# Altium PCB ipg_wearable.PcbDoc (part 1 of 2) (continued)
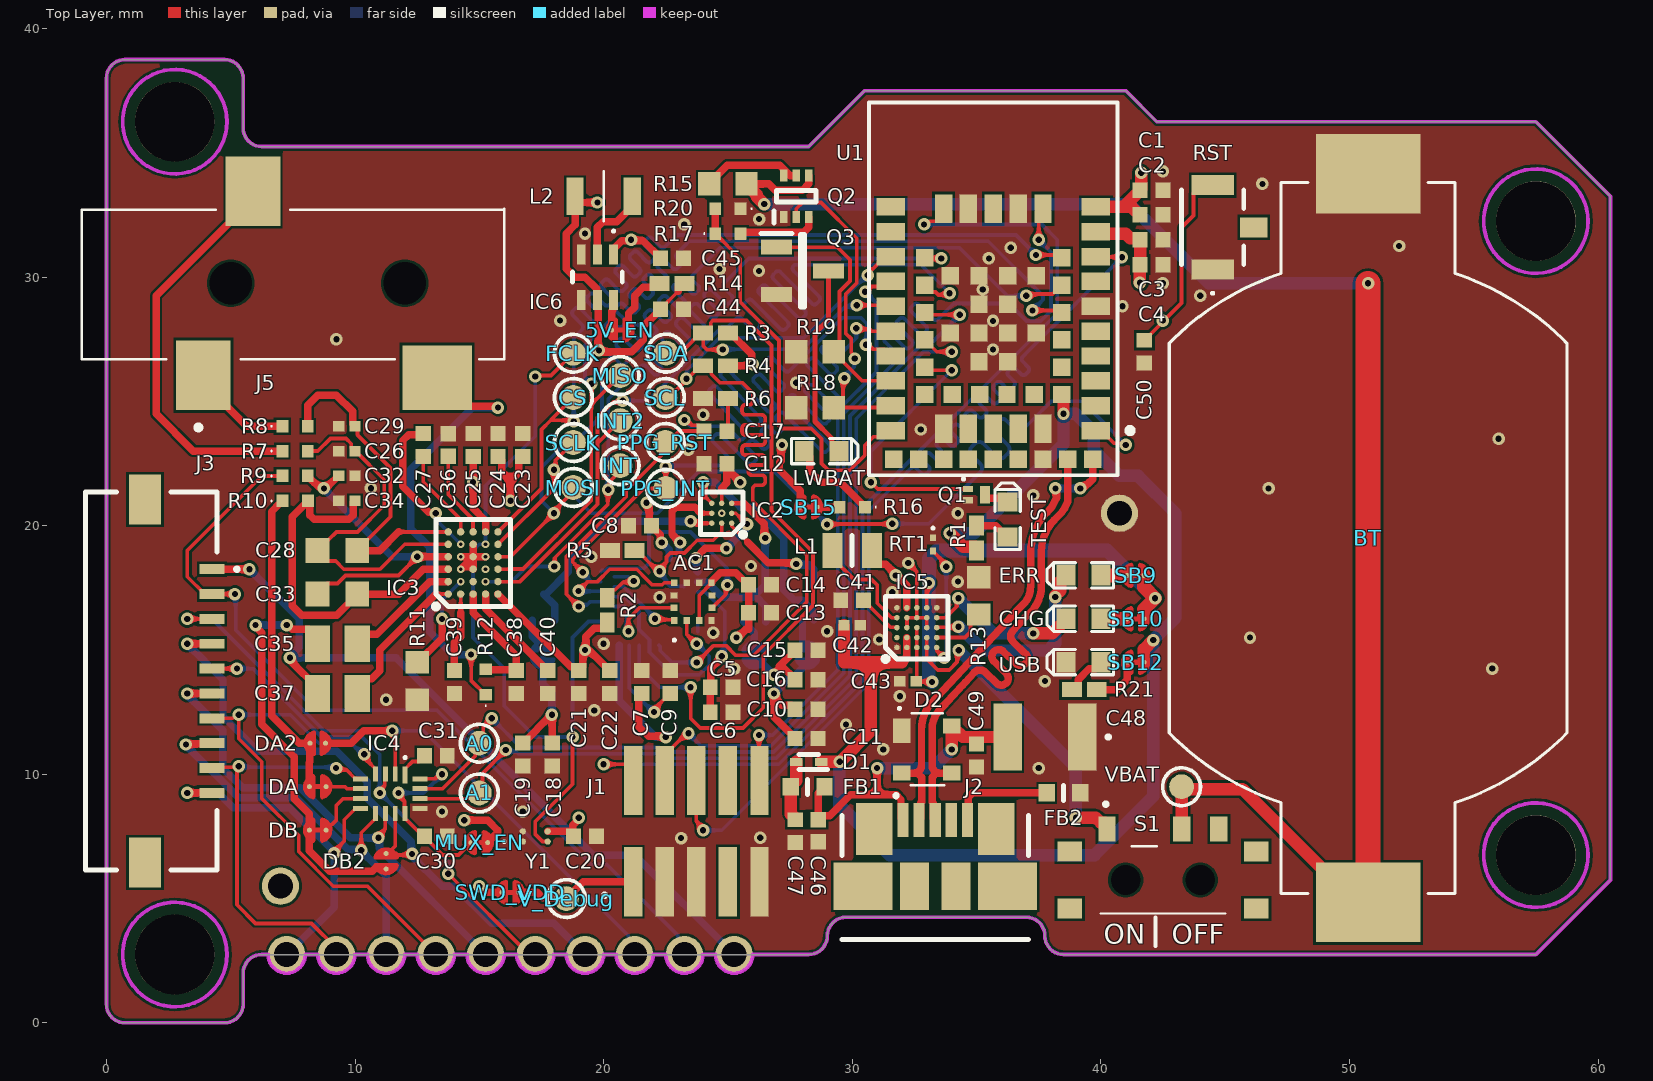
[diagram p0: Top Layer view]
## Part data (continued)
IR/RED: "LED", Arrow Part Number="SFH 7015", Manufacturer_Name="ams OSRAM", Mouser Part Number=720-SFH7015, Arrow Price/Stock=https://www.arrow.com/en/products/sfh-7015/osram-opto-semiconductors?region=nac, Datasheet Link=https://www.osram.com/ecat/CHIPLED%C2%AE%20SFH%207015/com/en/class_pim_web_catalog_103489/global/prd_pim_device_6573079/, Height=0.7mm, Manufacturer_Part_Number="SFH 7015", Mouser Price/Stock=https://www.mouser.co.uk/ProductDetail/OSRAM-Opto-Semiconductors/SFH-7015?qs=OTrKUuiFdkbk%2F%252BQNXT%2FkUA%3D%3D
J1: "Connector", Manufacturer_Name=SAMTEC, Mouser Part Number=200-FTSH10501LDVK, Arrow Part Number=FTSH-105-01-L-DV-K, Arrow Price/Stock=https://www.arrow.com/en/products/ftsh-105-01-l-dv-k/samtec?region=europe, Datasheet Link=https://www.arrow.com/en/products/ftsh-105-01-l-dv-k/samtec, Height=6.1mm, Manufacturer_Part_Number=FTSH-105-01-L-DV-K, Mouser Price/Stock=https://www.mouser.co.uk/ProductDetail/Samtec/FTSH-105-01-L-DV-K?qs=%252B5JSS813miOqo3Vy%252BvhCFg%3D%3D
J2: "Connector", Manufacturer_Name=Molex, Mouser Part Number=538-47346-0001, Datasheet Link=http://www.molex.com/pdm_docs/sd/473460001_sd.pdf, Manufacturer_Part_Number=47346-0001, Mouser Price/Stock=https://www.mouser.co.uk/ProductDetail/Molex/47346-0001?qs=c2CV6XM0DweJBWaSeyWeCw%3D%3D
J3: "Connector", Manufacturer_Name=Molex, Mouser Part Number=538-200528-0100, Datasheet Link=https://www.molex.com/pdm_docs/sd/2005280100_sd.pdf, Height=2.1mm, Manufacturer_Part_Number=200528-0100, Mouser Price/Stock=https://www.mouser.co.uk/ProductDetail/Molex/200528-0100?qs=0lSvoLzn4L%2F78iVrqdBtRg%3D%3D
J5: "Connector", Manufacturer_Name="CUI Devices", Mouser Part Number=490-SJ-3523-SMT-TR, Arrow Part Number=SJ-3523-SMT-TR, Arrow Price/Stock=https://www.arrow.com/en/products/sj-3523-smt-tr/cui-devices?region=europe, Datasheet Link=https://www.mouser.de/datasheet/2/670/sj_352x_smt-1779397.pdf, Height=5.2mm, Manufacturer_Part_Number=SJ-3523-SMT-TR, Mouser Price/Stock=https://www.mouser.co.uk/ProductDetail/CUI-Devices/SJ-3523-SMT-TR?qs=WyjlAZoYn51zOHzJ3r4ZRA%3D%3D
L1: library part DFE201210U-2R2M=P2, "Inductor", Arrow Part Number=DFE201210U-2R2M=P2, Manufacturer_Name="Murata Electronics", Mouser Part Number=81-DFE201210U-2R2MP2, Arrow Price/Stock=https://www.arrow.com/en/products/dfe201210u-2r2mp2/murata-manufacturing?region=nac, Datasheet Link=https://psearch.en.murata.com/inductor/product/DFE201210U-2R2M%23.html, Height=1mm, Manufacturer_Part_Number=DFE201210U-2R2M=P2, Mouser Price/Stock=https://www.mouser.co.uk/ProductDetail/Murata-Electronics/DFE201210U-2R2M%3dP2?qs=AQlKX63v8Rt%252B2GxwUyA5Fw%3D%3D
L2: library part LQM2HPN2R2MJ0L, "Inductor", Manufacturer_Name="Murata Electronics", Mouser Part Number=81-LQM2HPN2R2MJ0L, Arrow Part Number=LQM2HPN2R2MJ0L, Arrow Price/Stock=https://www.arrow.com/en/products/lqm2hpn2r2mj0l/murata-manufacturing?region=nac, Datasheet Link=https://psearch.en.murata.com/inductor/product/LQM2HPN2R2MJ0%23.html, Height=1.2mm, Manufacturer_Part_Number=LQM2HPN2R2MJ0L, Mouser Price/Stock=https://www.mouser.co.uk/ProductDetail/Murata-Electronics/LQM2HPN2R2MJ0L?qs=%2F%252BYoplLUB5gah%2Fy6io9rJg%3D%3D
Q1: "N-Channel MOSFET, 20V, 1A, 470mOhm, 400mW", Manufacturer="Rohm Semiconductor", Part number IPS=00000009976, Part number Norautron=N.A., Supplier Part Number 1=RV2C010UNT2LCT-ND, Artikkelnr Noca=35010020, Author=rsk, Component Class=Semiconductors, ComponentLink1Description=Datasheet, ComponentLink1URL=N.A., ComponentLink2Description="Supplier link", ComponentLink2URL=N.A., Footprint Doc=DFN-3, HelpURL=http://rohmfs.rohm.com/en/products/databook/datasheet/discrete/transistor/mosfet/rv2c010unt2l-e.pdf, LatestRevisionDate=2016-08-09, Manufacturer Part Number=RV2C010UNT2L, Note=N.A., Pad Count=3, Part Number=RV2C010UNT2L, PartId=101300132, Published=2016-08-09, Supplier 1=Digi-Key, Supplier 2=Mouser, Supplier Part Number 2=755-RV2C010UNT2L
Q2: "Transistor", Manufacturer_Name="Diodes Incorporated", Mouser Part Number=N/A, Datasheet Link=https://www.diodes.com/assets/Datasheets/DMC2400UV.pdf, Height=0.6mm, Manufacturer_Part_Number=DMC2400UV, Mouser Price/Stock=https://www.mouser.co.uk/ProductDetail/Diodes-Incorporated/DMC2400UV?qs=Wj%2FVkw3K%252BMA7RIsKQCzONw%3D%3D
Q3: "MOSFET (N-Channel)", Manufacturer_Name=onsemi, Mouser Part Number=512-FDV303N, Arrow Part Number=FDV303N, Arrow Price/Stock=https://www.arrow.com/en/products/fdv303n/on-semiconductor?region=europe, Datasheet Link=https://www.onsemi.com/pub/Collateral/FDV303N-D.PDF, Height=1.11mm, Manufacturer_Part_Number=FDV303N, Mouser Price/Stock=https://www.mouser.co.uk/ProductDetail/onsemi-Fairchild/FDV303N?qs=FOlmdCx%252BAA1IyXspysHTkA%3D%3D
R1 R21: library part RC0402JR-07560RL, "Resistor", Manufacturer_Name=KEMET, Mouser Part Number=603-RC0402JR-07560RL, Datasheet Link=http://www.yageo.com/documents/recent/PYu-RC0402_51_RoHS_L_6_r.pdf, Height=0.4mm, Manufacturer_Part_Number=RC0402JR-07560RL, Mouser Price/Stock=https://www.mouser.com/Search/Refine.aspx?Keyword=603-RC0402JR-07560RL
R2 R3 R4: library part RC0402FR-074K7L, "Resistor", Manufacturer_Name=KEMET, Mouser Part Number=603-RC0402FR-074K7L, Arrow Part Number=RC0402FR-074K7L, Arrow Price/Stock=https://www.arrow.com/en/products/rc0402fr-074k7l/yageo, Datasheet Link=http://www.yageo.com/documents/recent/PYu-RC0402_51_RoHS_L_6_r.pdf, Height=0.4mm, Manufacturer_Part_Number=RC0402FR-074K7L, Mouser Price/Stock=https://www.mouser.co.uk/ProductDetail/YAGEO/RC0402FR-074K7L?qs=V1yeUXFNrkn%2FmCXC8N8TTA%3D%3D
R5: library part RC0402FR-07100KL, "Resistor", Manufacturer_Name=YAGEO, Mouser Part Number=603-RC0402FR-07100KL, Arrow Part Number=RC0402FR-07100KL, Arrow Price/Stock=https://www.arrow.com/en/products/rc0402fr-07100kl/yageo?region=europe, Datasheet Link=https://componentsearchengine.com/Datasheets/2/RC0402FR-07100KL.pdf, Height=0.4mm, Manufacturer_Part_Number=RC0402FR-07100KL, Mouser Price/Stock=https://www.mouser.co.uk/ProductDetail/YAGEO/RC0402FR-07100KL?qs=mnq%2FyloZIXzTlUn7JAHSWg%3D%3D
R6: library part RC0402FR-0710RL, "Resistor", Manufacturer_Name=KEMET, Mouser Part Number=603-RC0402FR-0710RL, Datasheet Link=http://www.yageo.com/documents/recent/PYu-RC0402_51_RoHS_L_6_r.pdf, Height=0.4mm, Manufacturer_Part_Number=RC0402FR-0710RL, Mouser Price/Stock=https://www.mouser.co.uk/ProductDetail/YAGEO/RC0402FR-0710RL?qs=V1yeUXFNrkkzkWCUUWS9og%3D%3D
R7 R8 R12: library part ERJ-2RKF2003X, "Resistor", Manufacturer_Name=Panasonic, Mouser Part Number=667-ERJ-2RKF2003X, Arrow Part Number=ERJ-2RKF2003X, Arrow Price/Stock=https://www.arrow.com/en/products/erj2rkf2003x/panasonic?region=europe, Datasheet Link=https://industrial.panasonic.com/cdbs/www-data/pdf/RDA0000/AOA0000C86.pdf, Height=0.4mm, Manufacturer_Part_Number=ERJ-2RKF2003X, Mouser Price/Stock=https://www.mouser.co.uk/ProductDetail/Panasonic/ERJ-2RKF2003X?qs=H7k1u0Mp9JQs7qWHNZeKxQ%3D%3D
R9 R10: library part ERJ-2RKF2000X, "Resistor", Manufacturer_Name=Panasonic, Mouser Part Number=667-ERJ-2RKF2000X, Arrow Part Number=ERJ-2RKF2000X, Arrow Price/Stock=https://www.arrow.com/en/products/erj-2rkf2000x/panasonic?region=nac, Datasheet Link=https://industrial.panasonic.com/cdbs/www-data/pdf/RDA0000/AOA0000C86.pdf, Height=0.4mm, Manufacturer_Part_Number=ERJ-2RKF2000X, Mouser Price/Stock=https://www.mouser.co.uk/ProductDetail/Panasonic/ERJ-2RKF2000X?qs=P9MxuNjgFLMhlpyylwMTwg%3D%3D
R11: library part RN73C1J324KBTDF, "Resistor", Manufacturer_Name="TE Connectivity", Mouser Part Number=279-RN73C1J324KBTDF, Datasheet Link=https://componentsearchengine.com/Datasheets/2/RN73C1J324KBTDF.pdf, Height=0.55mm, Manufacturer_Part_Number=RN73C1J324KBTDF, Mouser Price/Stock=https://www.mouser.co.uk/ProductDetail/TE-Connectivity-Holsworthy/RN73C1J324KBTDF?qs=8G8kQhBkhGjA96pes7zqwA%3D%3D
R13: library part RC0603FR-0716K2L, "Resistor", Manufacturer_Name=KEMET, Mouser Part Number=603-RC0603FR-0716K2L, Datasheet Link=http://www.yageo.com/documents/recent/PYu-RC0603_51_RoHS_L_v5.pdf, Height=0.55mm, Manufacturer_Part_Number=RC0603FR-0716K2L, Mouser Price/Stock=https://www.mouser.co.uk/ProductDetail/Yageo/RC0603FR-0716K2L?qs=VU8sRB4EgwBbyU4POY2x9w%3D%3D
R14: library part HMC0402JT33M0, "Resistor", Manufacturer_Name="Stackpole Electronics", Arrow Part Number=HMC0402JT33M0, Arrow Price/Stock=https://www.arrow.com/en/products/hmc0402jt33m0/stackpole-electronics, Datasheet Link=https://cs.seielect.com/catalog/SEI-HMC.pdf, Height=0.4mm, Manufacturer_Part_Number=HMC0402JT33M0
R15 R18 R19: library part ERJ-3EKF1004V, "Resistor", Manufacturer_Name=Panasonic, Mouser Part Number=667-ERJ-3EKF1004V, Arrow Part Number=ERJ-3EKF1004V, Arrow Price/Stock=https://www.arrow.com/en/products/erj-3ekf1004v/panasonic?region=nac, Datasheet Link=http://industrial.panasonic.com/cdbs/www-data/pdf/RDA0000/AOA0000C86.pdf, Height=0.55mm, Manufacturer_Part_Number=ERJ-3EKF1004V, Mouser Price/Stock=https://www.mouser.co.uk/ProductDetail/Panasonic/ERJ-3EKF1004V?qs=6%252BUraArZVSCwybhfQn7iYg%3D%3D
R16: library part ERJ-2RKF1500X, "Resistor", Manufacturer_Name=Panasonic, Mouser Part Number=667-ERJ-2RKF1500X, Arrow Part Number=ERJ-2RKF1500X, Arrow Price/Stock=https://www.arrow.com/en/products/erj-2rkf1500x/panasonic?region=nac, Datasheet Link=https://industrial.panasonic.com/cdbs/www-data/pdf/RDA0000/AOA0000C86.pdf, Height=0.4mm, Manufacturer_Part_Number=ERJ-2RKF1500X, Mouser Price/Stock=https://www.mouser.co.uk/ProductDetail/Panasonic/ERJ-2RKF1500X?qs=MVjVSMjNRMocymBqQ7AAtQ%3D%3D
R17: library part ERJ-2GEJ155X, "Resistor", Manufacturer_Name=Panasonic, Mouser Part Number=667-ERJ-2GEJ155X, Datasheet Link=https://datasheet.datasheetarchive.com/originals/distributors/DKDS40/DSANUWW0010593.pdf, Height=0.4mm, Manufacturer_Part_Number=ERJ-2GEJ155X, Mouser Price/Stock=https://www.mouser.co.uk/ProductDetail/Panasonic/ERJ-2GEJ155X?qs=MVjVSMjNRMoBrgcCxtyHNA%3D%3D
R20: library part ERJ-2GEJ224X, "Resistor", Manufacturer_Name=Panasonic, Mouser Part Number=667-ERJ-2GEJ224X, Arrow Part Number=ERJ-2GEJ224X, Arrow Price/Stock=https://www.arrow.com/en/products/erj2gej224x/panasonic?region=nac, Datasheet Link=https://datasheet.datasheetarchive.com/originals/distributors/DKDS40/DSANUWW0010623.pdf, Height=0.4mm, Manufacturer_Part_Number=ERJ-2GEJ224X, Mouser Price/Stock=https://www.mouser.co.uk/ProductDetail/Panasonic/ERJ-2GEJ224X?qs=H7k1u0Mp9JQ0o1uy9bJkFg%3D%3D
RST: "Tactile Push Button Switch", Manufacturer_Name=E-Switch, Mouser Part Number=612-TL1017AABF160QG, Datasheet Link=https://www.e-switch.com/wp-content/uploads/2023/03/TL1017.pdf, Height=1.7mm, Manufacturer_Part_Number=TL1017AABF160QG, Mouser Price/Stock=https://www.mouser.co.uk/ProductDetail/E-Switch/TL1017AABF160QG?qs=9vOqFld9vZWEDSBQD0ZM5A%3D%3D
RT1: library part ERT-JZEG103FA, "NTC Thermistor 10k 0201 (0603 Metric)", Manufacturer_Name=Panasonic, Mouser Part Number=667-ERT-JZEG103FA, Arrow Part Number=ERT-JZEG103FA, Arrow Price/Stock=https://www.arrow.com/en/products/ert-jzeg103fa/panasonic?region=nac, Datasheet Link=https://industrial.panasonic.com/cdbs/www-data/pdf/AUA0000/AUA0000C8.pdf, Height=0.33mm, Manufacturer_Part_Number=ERT-JZEG103FA, Mouser Price/Stock=https://www.mouser.co.uk/ProductDetail/Panasonic/ERT-JZEG103FA?qs=8rMlxy%252BA7jnazXT5AW8efg%3D%3D
S1: "Switch", Manufacturer_Name="Wurth Elektronik", Mouser Part Number=710-450404015514, Datasheet Link=https://katalog.we-online.de/em/datasheet/450404015514.pdf, Height=1.4mm, Manufacturer_Part_Number=450404015514, Mouser Price/Stock=https://www.mouser.co.uk/ProductDetail/Wurth-Elektronik/450404015514?qs=sPbYRqrBIVk21%2FxsES2IZA%3D%3D
U1: "u-blox NINA-B302 Bluetooth 5 LE, 802.15.4 module", Manufacturer=u-blox, Part Description="Stand-alone Bluetooth low energy module"
Y1: "Crystal or Oscillator", Arrow Part Number=SIT1532AC-J5-DCC-32.768E, Manufacturer_Name=SiTime, Mouser Part Number=788-1532ACJ5DCC32.7E, Arrow Price/Stock=https://www.arrow.com/en/products/sit1532ac-j5-dcc-32.768e/sitime?region=nac, Datasheet Link=https://www.sitime.com/support/resource-library/datasheets/sit1532-datasheet, Height=0.6mm, Manufacturer_Part_Number=SiT1532AC-J5-DCC-32.768E, Mouser Price/Stock=https://www.mouser.co.uk/ProductDetail/SiTime/SiT1532AC-J5-DCC-32768E?qs=dMZC7um9hO%252BBGGNkRGdGlw%3D%3D

## Free pads (board coordinates)
  round 1.5 hole 1: 2(7.25,2.75) 3(9.25,2.75) 4(11.25,2.75) 5(13.25,2.75) 6(15.25,2.75) 7(17.25,2.75) 8(19.25,2.75) 9(21.25,2.75) 10(23.25,2.75) 11(25.25,2.75) 12(7,5.5) 12(40.75,20.5)
  round 3.2 hole 3.2 unplated: MH01(2.75,36.25) MH02(2.75,2.75) MH03(57.5,6.75) MH04(57.5,32.25)

## Via types
v1: diameter 0.5, hole 0.25, Top Layer to Bottom Layer, tented both sides, 187 vias
v2: diameter 0.305, hole 0.152, Top Layer to Bottom Layer, tented both sides, 9 vias

## Nets (pads, with @x,y where several pads share a name; then routed paths per layer and width w, separated by ;. In a path a pad name is that pad's centre, name@x,y a point inside that pad or via, vN(x,y) a via of type N, cw(c..) or ccw(c..) an arc to the next point about the centre after c; other vN are vias at no path point)
ACCEL_CS: AC1.10 IC1.11 | length 5.4
  Top Layer w0.15: v1(18.992,17.378) 19.364,17.75 19.75,17.75 20.25,18.25 21.329,18.25 21.553,18.026 21.553,18.018 21.948,17.623 22.356,17.623 22.441,17.708 AC1.10@22.845,17.708
  Bottom Layer w0.15: v1(18.992,17.378) 19.008,17.361 19.865,17.361 IC1.11@19.882,17.345
ACCEL_INT: AC1.5 IC1.13 | length 8.9
  Top Layer w0.15: AC1.5@24.358,16.695 24.408,16.745 24.42,16.745 24.913,17.237 24.913,17.547 v1(24.98,17.614)
  Bottom Layer w0.15: IC1.13@19.882,18.145 19.932,18.195 20.052,18.195 20.149,18.292 21.622,18.292 21.823,18.493 21.823,19.662 21.91,19.75 23.5,19.75 24.973,18.277 24.973,17.62 v1(24.98,17.614)
ACCEL_MISO: AC1.1 IC1.37 | length 3
  Top Layer w0.15: v1(22.063,16.26) 22.102,16.221 22.806,16.221 AC1.1@22.845,16.182
  Bottom Layer w0.15: IC1.37@20.437,17.545 20.805,17.545 22.063,16.287 v1(22.063,16.26)
ACCEL_MOSI: AC1.2 IC1.36 | length 8.2
  Top Layer w0.15: AC1.2@23.345,16.182 23.345,15.623 23.718,15.25 v1(23.75,15.25)
  Bottom Layer w0.15: IC1.36@20.437,17.145 20.837,17.145 21.425,16.557 21.425,15.825 21.843,15.407 21.843,14.907 22.75,14 23.851,14 24.25,14.399 24.25,14.75 v1(23.75,15.25)
ACCEL_SCK: AC1.12 IC1.35 | length 4
  Top Layer w0.15: v1(21,15.75) 21,16.25 21.445,16.695 AC1.12@22.819,16.695
  Bottom Layer w0.15: IC1.35@20.437,16.745 20.837,16.745 20.933,16.649 20.933,15.817 v1(21,15.75)
BATT_MON: R17.1 R20.2 U1.25 | length 16.5
  Top Layer w0.15: R17.1@24.488,31.75 25.5,30.738 25.5,29 27.054,27.446 27.054,24.034 27.18,23.908 28.355,23.908 28.765,23.498 28.765,22.505 29.044,22.227 29.899,22.227 30.5,22.828 30.5,23.225 30.853,23.578 31.303,23.578 U1.25@31.55,23.825
  Top Layer w0.3: R17.1@24.488,31.75 R20.2@24.488,32.75
BATT_MON_EN: Q2.2 R18.2 U1.24 | length 13.3
  Top Layer w0.15: Q2.2@27.75,32.416 27.75,32.75 28,33 28.75,33 30.184,31.566 30.184,29.762 29.738,29.317 29.738,27.734 29.966,27.506 29.966,26.954 30.106,26.815 v1(30.106,26.72) ; v1(29.687,25.937) 29.625,25.875 29.625,25.125 R18.2@29.25,24.75 31.475,24.75 U1.24@31.55,24.825
  Bottom Layer w0.15: v1(29.687,25.937) 29.687,25.99 30.076,26.378 30.076,26.69 v1(30.106,26.72)
BIN1: DA2.1 IC4.2 J3.3 pad.9 | length 29.6
  Top Layer w0.15: v1(3.25,16.25) J3.3@4.25,16.25 ; v1(11.5,11.75) 11.5,11.655 11.618,11.537 IC4.2@11.618,10.019
  Top Layer w0.3: DA2.1@8.75,11.25 DA2.1@8.812,11.25 8.987,11.25 9.848,11.25 10.348,11.75 v1(11.5,11.75)
  Bottom Layer w0.15: v1(3.25,16.25) 4.25,16.25 8.75,11.75 v1(11.5,11.75) ; v1(11.5,11.75) 12.75,11.75 20.987,3.513 20.987,3.013 pad.9@21.25,2.75
BIN2: IC4.3 J3.5 pad.7 | length 19.8
  Top Layer w0.15: J3.5@4.25,14.25 v1(5.25,14.25) ; v1(11,9.25) 11,9.345 11.193,9.538 11.193,9.994 IC4.3@11.218,10.019 ; v1(13.75,6) 17,2.75 pad.7@17.25,2.75
  Bottom Layer w0.15: v1(5.25,14.25) 5.896,14.25 8.646,11.5 10.282,11.5 10.797,10.985 11,10.782 v1(11,9.25) 13.75,6.5 v1(13.75,6)
BIN3: IC4.4 J3.7 pad.5 | length 21.3
  Top Layer w0.15: J3.7@4.25,12.25 5.081,12.25 5.23,12.399 v1(5.325,12.399) 5.325,11.425 6.25,10.5 6.25,9.03 7.736,7.543 7.736,6.892 9.128,5.5 10.5,5.5 pad.5@13.25,2.75 ; v1@10.439,10.598 10.818,10.219 IC4.4@10.818,10.019
  Bottom Layer w0.15: v1(5.325,12.399) 7.394,12.399 8.543,11.25 9.25,11.25 9.403,11.25 9.851,11.25 10.292,10.809 v1(10.372,10.809)
BIN4: IC4.5 J3.9 pad.3 | length 16.8
  Top Layer w0.15: J3.9@4.25,10.25 4.287,10.287 5.282,10.287 v1(5.319,10.325) 5.319,10.23 5.25,10.161 5.25,4.75 6,4 8.25,4 9.25,3 pad.3@9.25,2.75 ; v1(9.237,10.25) 9.304,10.183 9.654,10.183 9.993,9.844 10.193,9.844 IC4.5@10.218,9.819
  Bottom Layer w0.15: v1(5.319,10.325) 5.357,10.287 9.199,10.287 v1(9.237,10.25)
BIOZ_INT: IC3.D2 INT.1 U1.37 | length 38
  Top Layer w0.15: v1(18.014,18.359) 18.032,18.377 18.032,18.712 20.169,20.85 20.169,21.428 20.235,21.494 20.235,21.771 20.663,22.198 INT.1@20.663,22.416 ; U1.37@32.925,30.775 32.95,30.75 v1(33.583,30.75)
  Bottom Layer w0.15: v2(15.25,17.75) 16.301,17.75 16.91,18.359 v1(18.014,18.359) ; v1(20.187,21.446) 20.187,25.1 21.16,26.072 21.499,26.411 cw(c21.605,26.305) 21.711,26.411 22.011,26.111 ccw(c22.111,26.211) 22.211,26.111 22.297,26.196 ccw(c22.197,26.296) 22.297,26.396 21.802,26.892 cw(c21.902,26.992) 21.802,27.092 21.887,27.177 cw(c21.987,27.077) 22.087,27.177 22.583,26.682 ccw(c22.683,26.782) 22.782,26.682 22.868,26.768 ccw(c22.768,26.868) 22.868,26.968 22.373,27.463 cw(c22.473,27.563) 22.373,27.663 22.459,27.749 cw(c22.559,27.649) 22.659,27.749 23.154,27.253 ccw(c23.254,27.353) 23.354,27.253 23.44,27.339 ccw(c23.34,27.439) 23.44,27.539 22.944,28.034 cw(c23.044,28.134) 22.944,28.234 23.03,28.32 cw(c23.13,28.22) 23.23,28.32 23.725,27.825 ccw(c23.825,27.925) 23.925,27.825 24.011,27.91 ccw(c23.911,28.01) 24.011,28.11 23.516,28.606 cw(c23.616,28.706) 23.516,28.806 23.601,28.891 cw(c23.701,28.791) 23.801,28.891 24.297,28.396 ccw(c24.397,28.496) 24.497,28.396 24.582,28.482 ccw(c24.482,28.582) 24.582,28.682 24.087,29.177 cw(c24.187,29.277) 24.087,29.377 24.173,29.463 cw(c24.273,29.363) 24.373,29.463 24.868,28.967 ccw(c24.968,29.067) 25.068,28.967 25.154,29.053 ccw(c25.054,29.153) 25.154,29.253 24.853,29.554 cw(c24.959,29.66) 24.853,29.766 25.053,29.965 25.837,30.75 v1(33.583,30.75)
BIOZ_INT2: IC3.E2 INT2.1 U1.38 | length 41.1
  Top Layer w0.15: IC3.E2@15.75,17.75 16.636,17.75 19.75,20.864 19.75,23.313 ; INT2.1@20.663,24.226 19.75,23.313 ; v1(20.769,25.028) 20.702,24.961 20.363,24.961 19.75,24.348 19.75,23.313 ; U1.38@32.925,29.675 33.2,29.4 33.354,29.4 33.471,29.283 33.852,29.283 v1(33.919,29.35)
  Bottom Layer w0.15: v1(20.769,25.028) 21.785,25.028 24.757,28 25,28 25.339,28.339 cw(c25.445,28.233) 25.551,28.339 25.975,27.914 ccw(c26.075,28.014) 26.175,27.914 26.261,28 ccw(c26.161,28.1) 26.261,28.2 25.692,28.769 cw(c25.792,28.869) 25.692,28.969 25.778,29.055 cw(c25.878,28.955) 25.978,29.055 27.118,27.914 ccw(c27.218,28.014) 27.318,27.914 27.403,28 ccw(c27.303,28.1) 27.403,28.2 26.263,29.34 cw(c26.363,29.44) 26.263,29.54 26.349,29.626 cw(c26.449,29.526) 26.549,29.626 27.806,28.369 ccw(c27.906,28.469) 28.006,28.369 28.092,28.454 ccw(c27.992,28.554) 28.092,28.654 26.835,29.912 cw(c26.935,30.012) 26.835,30.111 26.92,30.197 cw(c27.02,30.097) 27.12,30.197 28.378,28.94 ccw(c28.478,29.04) 28.578,28.94 28.663,29.026 ccw(c28.563,29.126) 28.663,29.226 27.645,30.244 cw(c27.751,30.35) 27.751,30.5 28.057,30.5 32.769,30.5 v1(33.919,29.35)
BIOZ_MUX_A0: A0.1 IC4.15 U1.39 | length 38.8
  Top Layer w0.15: IC4.15@12.618,9.419 13.521,9.419 14.837,10.736 14.837,11.087 A0.1@15,11.25 15.163,11.413 15.163,11.913 v1(15.5,12.25) ; U1.39@32.925,28.575 33.012,28.488 v1(34.323,28.488)
  Bottom Layer w0.15: v1(15.5,12.25) 16.675,11.075 22.237,11.075 22.412,10.9 26.839,10.9 29.913,13.974 29.913,24.413 32.75,27.25 33.086,27.25 v1(34.323,28.488)
BIOZ_MUX_A1: A1.1 IC4.14 U1.40 | length 36.9
  Top Layer w0.15: IC4.14@12.618,9.019 14.539,9.019 14.77,9.25 A1.1@15,9.25 15.124,9.374 15.124,10.037 v1(16.064,10.977) ; U1.40@32.925,27.475 33.4,27 v1(34,27)
  Bottom Layer w0.15: v1(16.064,10.977) 16.131,10.91 16.486,10.91 16.571,10.825 22.133,10.825 22.308,10.65 26.943,10.65 30.163,13.87 30.163,24.301 32.862,27 v1(34,27)
BIOZ_SPI_CS: CS.1 IC3.E6 U1.36 | length 41.2
  Top Layer w0.15: IC3.E6@15.75,19.75 17.5,21.5 17.5,23.87 17.874,24.244 18.747,24.244 v1(18.796,24.195) ; 17.872,24.246 CS.1@18.782,25.156 ; v1(37.39,30.889) 38.311,30.889 U1.36@38.425,30.775
  Bottom Layer w0.15: v1(18.796,24.195) 18.796,27.546 19.072,27.822 19.126,27.876 ccw(c19.02,27.983) 19.128,28.087 18.771,28.453 cw(c18.873,28.552) 18.774,28.653 18.861,28.738 cw(c18.96,28.637) 19.061,28.735 19.521,28.262 ccw(c19.623,28.361) 19.721,28.259 19.808,28.344 ccw(c19.709,28.445) 19.811,28.544 19.35,29.017 cw(c19.452,29.116) 19.353,29.217 19.44,29.302 cw(c19.539,29.2) 19.64,29.299 20.037,28.89 ccw(c20.139,28.989) 20.237,28.888 20.324,28.972 ccw(c20.226,29.073) 20.327,29.172 19.929,29.581 cw(c20.031,29.679) 19.932,29.781 20.019,29.865 cw(c20.118,29.764) 20.219,29.862 20.596,29.475 ccw(c20.697,29.574) 20.796,29.472 20.883,29.557 ccw(c20.784,29.658) 20.885,29.757 20.508,30.144 cw(c20.61,30.243) 20.511,30.344 20.598,30.429 cw(c20.697,30.327) 20.798,30.426 21.154,30.06 ccw(c21.256,30.158) 21.354,30.057 21.441,30.141 ccw(c21.343,30.243) 21.444,30.341 21.088,30.708 cw(c21.189,30.806) 21.09,30.908 21.177,30.992 cw(c21.276,30.891) 21.377,30.989 21.728,30.629 ccw(c21.829,30.728) 21.928,30.626 22.015,30.711 ccw(c21.916,30.812) 22.017,30.911 21.667,31.271 cw(c21.768,31.37) 21.669,31.471 21.756,31.556 cw(c21.855,31.454) 21.956,31.553 22.268,31.233 ccw(c22.375,31.337) 22.481,31.231 22.892,31.642 22.943,31.693 36.586,31.693 v1(37.39,30.889)
BIOZ_SPI_MISO: IC3.E3 MISO.1 U1.34 | length 41.4
  Top Layer w0.15: IC3.E3@15.75,18.25 16.159,18.25 16.169,18.26 16.76,18.26 19.5,21 19.5,24.874 ; v1(19.512,25.708) 19.543,25.678 19.543,25.385 19.5,25.342 19.5,24.874 ; MISO.1@20.663,26.037 19.5,24.874 ; v1(37.25,28.66) 38.34,28.66 U1.34@38.425,28.575
  Bottom Layer w0.15: v1(19.512,25.708) 19.25,25.971 19.25,27.25 19.78,27.78 20.175,28.175 cw(c20.281,28.069) 20.384,28.177 20.551,28.018 ccw(c20.649,28.12) 20.751,28.022 20.835,28.11 ccw(c20.732,28.208) 20.83,28.31 20.519,28.607 cw(c20.617,28.709) 20.514,28.807 20.598,28.895 cw(c20.7,28.797) 20.798,28.899 21.109,28.602 ccw(c21.207,28.704) 21.309,28.606 21.393,28.694 ccw(c21.291,28.792) 21.388,28.894 21.077,29.192 cw(c21.175,29.294) 21.072,29.391 21.156,29.479 cw(c21.258,29.381) 21.356,29.484 21.668,29.186 ccw(c21.765,29.288) 21.867,29.191 21.951,29.278 ccw(c21.849,29.376) 21.947,29.478 21.635,29.776 cw(c21.733,29.878) 21.631,29.976 21.714,30.063 cw(c21.816,29.966) 21.914,30.068 22.226,29.77 ccw(c22.323,29.872) 22.426,29.775 22.509,29.862 ccw(c22.407,29.96) 22.505,30.062 22.209,30.345 cw(c22.306,30.447) 22.204,30.545 22.288,30.633 cw(c22.39,30.535) 22.488,30.637 22.784,30.354 ccw(c22.882,30.457) 22.984,30.359 23.068,30.446 ccw(c22.965,30.544) 23.063,30.646 22.961,30.744 cw(c23.065,30.852) 22.959,30.959 23.249,31.248 23.443,31.443 35.473,31.443 37.676,29.24 37.676,29.085 v1(37.25,28.66)
BIOZ_SPI_MOSI: IC3.E4 MOSI.1 U1.35 | length 41.4
  Top Layer w0.15: IC3.E4@15.75,18.75 16.25,18.75 v1(18,20.5) 18,20.595 18.782,21.377 MOSI.1@18.782,21.535 ; v1(37,29.25) 37.067,29.317 38.067,29.317 U1.35@38.425,29.675
  Bottom Layer w0.15: v1(18,20.5) 17.5,21 17.5,22.351 18.692,23.543 19.043,23.543 19.937,24.437 19.937,26.352 19.937,26.437 20.234,26.734 cw(c20.34,26.628) 20.446,26.734 20.668,26.511 ccw(c20.768,26.611) 20.868,26.511 20.954,26.597 ccw(c20.854,26.697) 20.954,26.797 20.547,27.204 cw(c20.647,27.304) 20.547,27.404 20.633,27.489 cw(c20.733,27.389) 20.833,27.489 21.239,27.083 ccw(c21.339,27.183) 21.439,27.083 21.525,27.168 ccw(c21.425,27.268) 21.525,27.368 21.118,27.775 cw(c21.218,27.875) 21.118,27.975 21.204,28.061 cw(c21.304,27.961) 21.404,28.061 21.811,27.654 ccw(c21.911,27.754) 22.011,27.654 22.096,27.74 ccw(c21.996,27.84) 22.096,27.94 21.69,28.346 cw(c21.79,28.446) 21.69,28.546 21.775,28.632 cw(c21.875,28.532) 21.975,28.632 22.382,28.225 ccw(c22.482,28.325) 22.582,28.225 22.668,28.311 ccw(c22.568,28.411) 22.668,28.511 22.261,28.918 cw(c22.361,29.018) 22.261,29.118 22.347,29.203 cw(c22.447,29.103) 22.547,29.203 22.953,28.797 ccw(c23.053,28.897) 23.153,28.797 23.239,28.882 ccw(c23.139,28.982) 23.239,29.082 22.832,29.489 cw(c22.932,29.589) 22.832,29.689 22.918,29.775 cw(c23.018,29.675) 23.118,29.775 23.525,29.368 ccw(c23.625,29.468) 23.725,29.368 23.81,29.454 ccw(c23.71,29.554) 23.81,29.654 23.588,29.876 cw(c23.694,29.982) 23.588,30.088 24.189,30.689 24.675,31.175 34.325,31.175 36.25,29.25 v1(37,29.25)
BIOZ_SPI_SCLK: IC3.E5 SCLK.1 U1.1 | length 38.6
  Top Layer w0.15: IC3.E5@15.75,19.25 18,21.5 v1(18,22.25) 18.067,22.317 18.067,22.63 SCLK.1@18.782,23.345 ; v1(28.988,20.05) 29.002,20.064 31.599,20.064 v1(31.612,20.077) ; U1.1@39.8,23.825 40.025,23.825 40.533,23.317 40.933,23.317 v1(41,23.25)
  Bottom Layer w0.15: v1(18,22.25) 18,22.155 18.154,22.001 18.154,21.846 19.5,20.5 22.162,20.5 23.25,21.588 23.25,21.601 23.824,22.175 26.875,22.175 28.988,20.062 v1(28.988,20.05) ; v1(31.612,20.077) 33.077,20.077 35.104,22.104 35.157,22.157 ccw(c34.994,22.319) 35.157,22.482 34.804,22.835 cw(c34.967,22.998) 34.804,23.161 34.944,23.3 cw(c35.106,23.137) 35.269,23.3 35.8,22.769 ccw(c35.963,22.932) 36.126,22.769 36.265,22.909 ccw(c36.103,23.072) 36.265,23.235 35.735,23.765 cw(c35.897,23.928) 35.735,24.091 35.874,24.231 cw(c36.037,24.068) 36.2,24.231 36.552,23.878 ccw(c36.715,24.041) 36.878,23.878 37.245,24.245 38,25 39.258,25 41,23.258 v1(41,23.25)
BIP: J3.2 pad.10 R9.1 | length 33.5
  Top Layer w0.15: v1(5.171,17.247) v1(5.171,17.247) 3.951,17.249 3.25,17.95 3.25,19 6.25,22 R9.1@7.078,22
  Bottom Layer w0.15: v1(5.171,17.247) 5.202,17.217 5.202,15.798 8.425,12.575 13.299,12.575 19.5,6.374 20.126,6.374 22.987,3.513 22.987,3.013 pad.10@23.25,2.75
CPLL: C36.2 IC3.C6 | length 3.5
  Top Layer w0.15: C36.2@13.75,22.8 13.75,21.25 14.75,20.25 IC3.C6@14.75,19.75
D_N: D2.2 J2.2 U1.55 | length 18.6
  Top Layer w0.3: D2.2@32,10.05 32.486,10.05 ; J2.2@32.687,8.16 32.762,8.235 32.762,8.847 32.791,8.876 32.791,9.871 32.613,10.05 32.486,10.05 ; 33.138,12.805 33.132,12.799 33.026,12.684 cw(c32.731,12.741) 32.992,12.594 ccw(c34.362,11.815) 32.797,11.994 ccw(c34.356,11.816) 32.786,11.815 32.787,10.35 cw(c32.486,10.35) 32.699,10.138 cw(c32.486,10.35) 32.486,10.05 ; 33.138,12.806 cw(c33.453,12.517) 33.14,12.808 ; 33.14,12.808 33.161,12.831 cw(c33.476,12.542) 33.163,12.833 ; 33.163,12.833 36.704,16.66 ; 36.704,16.66 36.866,16.822 ccw(c35.938,17.75) 37.016,17.003 ccw(c35.938,17.75) 37.04,17.037 ccw(c36.787,17.199) 37.051,17.056 ccw(c36.068,17.587) 37.185,17.587 37.185,18.968 cw(c39.404,18.973) 37.185,18.977 37.185,19.146 ccw(c36.899,19.236) 37.197,19.203 cw(c39.404,18.973) 37.677,20.367 ccw(c37.443,20.554) 37.705,20.408 37.71,20.417 37.833,20.54 cw(c39.404,18.973) 37.836,20.543 37.991,20.698 38.04,20.783 38.213,21.087 38.213,21.462 v1(38.175,21.5) ; v1(39.175,21.5) 39.213,21.538 39.338,21.538 39.675,21.875 U1.55@39.675,22.675
  Bottom Layer w0.3: v1(38.175,21.5) v1(39.175,21.5)
D_P: D2.3 J2.3 U1.54 | length 21.4
  Top Layer w0.3: J2.3@33.337,8.16 33.262,8.235 33.262,8.838 33.218,8.882 33.218,9.887 33.381,10.05 33.514,10.05 ; D2.3@34,10.05 33.514,10.05 ; U1.54@38.675,22.675 38.675,20.979 38.543,20.705 38.418,20.522 38.137,20.241 ccw(c39.404,18.973) 37.612,18.969 37.612,17.587 cw(c36.068,17.587) 37.017,16.369 37.008,16.36 36.907,16.25 36.453,15.76 ccw(c36.673,15.556) 36.465,15.341 36.965,14.858 cw(c36.772,14.659) 36.971,14.466 cw(c36.772,14.659) 36.58,14.459 36.086,14.937 ccw(c35.893,14.738) 35.694,14.93 ccw(c35.893,14.738) 35.701,14.539 36.195,14.061 cw(c36.002,13.862) 36.201,13.669 cw(c36.002,13.862) 35.81,13.663 35.346,14.111 ccw(c35.137,13.896) 34.917,14.099 34.545,13.697 34.443,13.587 33.453,12.517 ccw(c34.362,11.815) 33.413,12.462 ccw(c34.362,11.815) 33.213,11.814 33.213,10.35 ccw(c33.514,10.35) 33.301,10.138 ccw(c33.514,10.35) 33.514,10.05